# Altium PCB sensor_board.PcbDoc (continued)
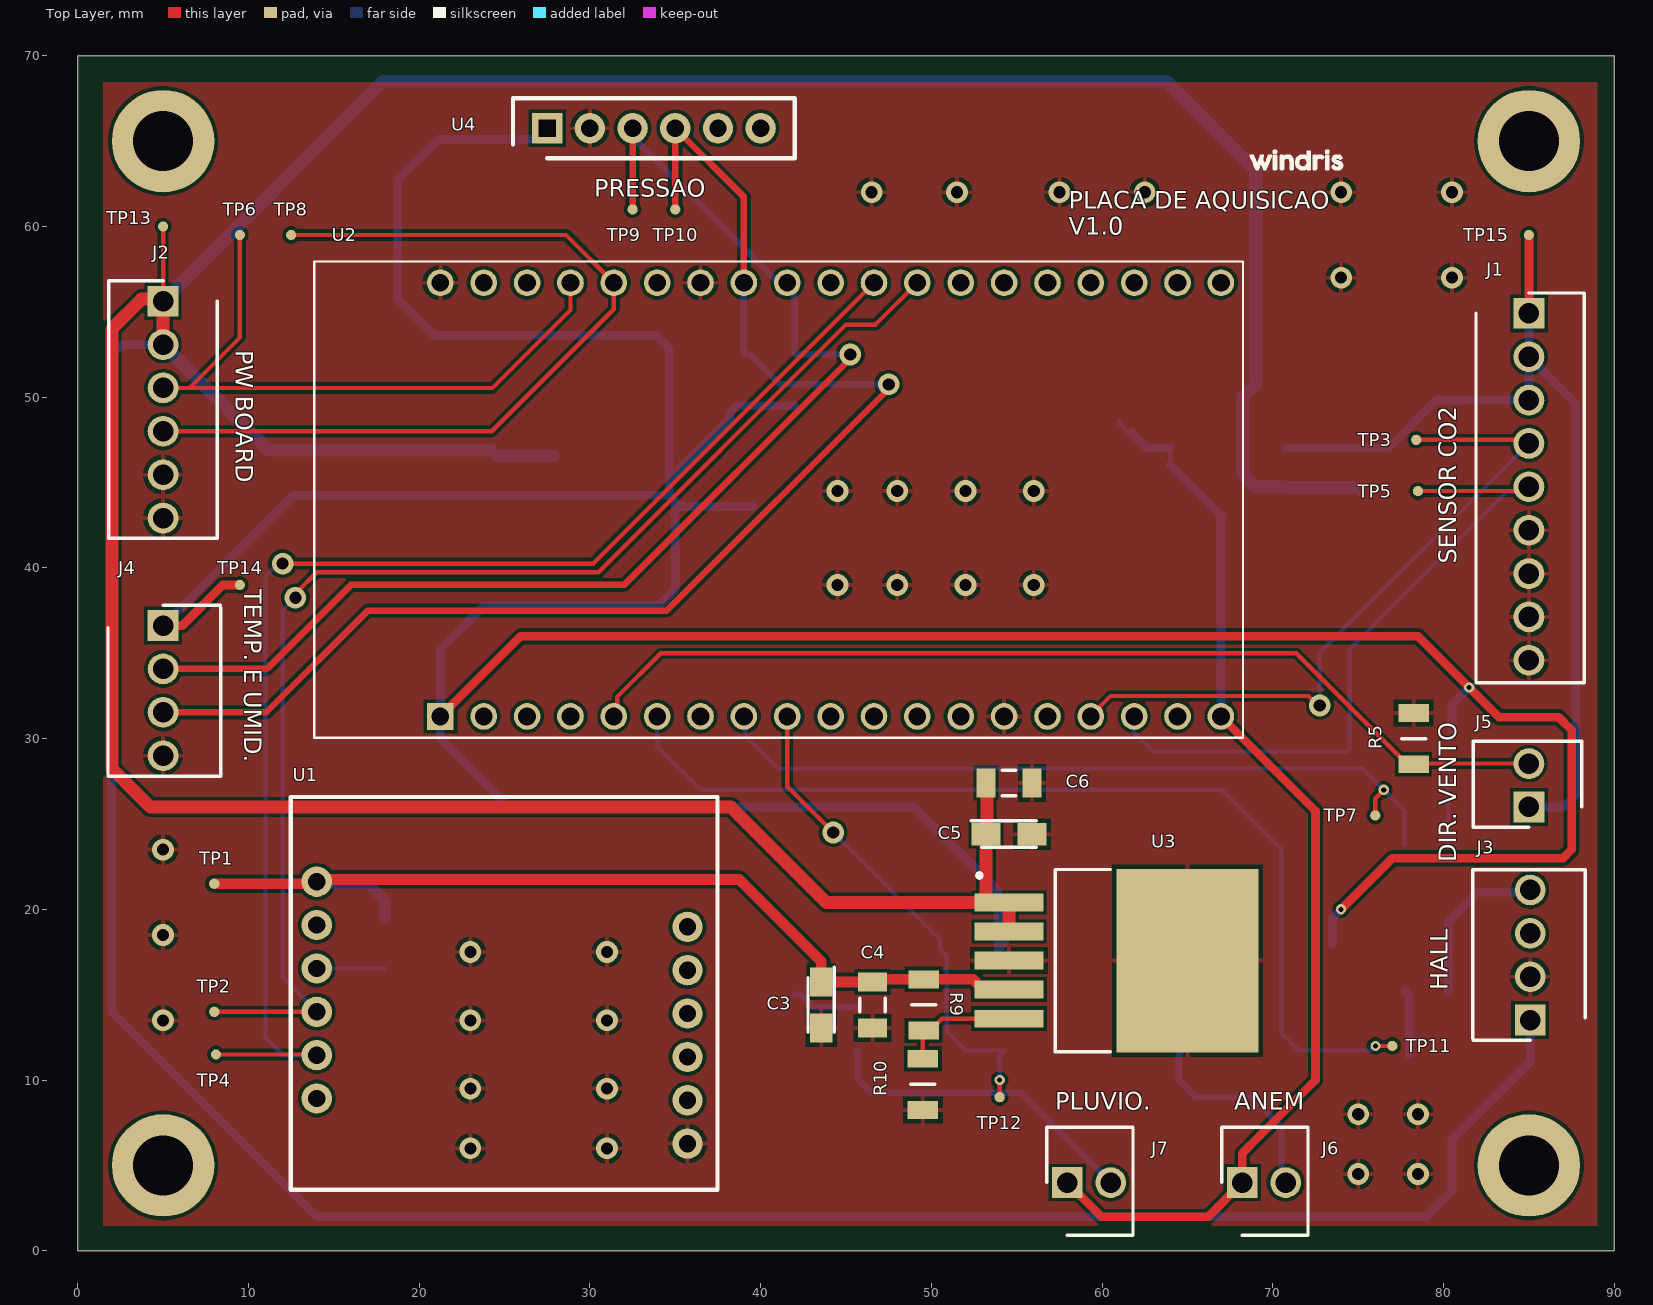
[diagram p0: Top Layer view]
## Part data (continued)
J1: "Headers & Wire Housings KK Hdr Vrt 9 Ckt 2.54mm Pitch Sn", Color=Black, Current Rating=4A, Flammability Rating="UL94 V-2", Manufacturer=Molex, Manufacturer Part Number=1718560009, Max Operating Temperature=105°C, Min Operating Temperature=-40°C, Mouser Part Number=538-171856-0009, Package Quantity=1000, Supplier Part Number 1=WM10186-ND, Voltage rating=250V, Category="Headers and Wire Housings", ComponentLink1Description=https://datasheet.ciiva.com/24242/1718560009-pcb-headers-262932-24242129.pdf?src-supplier=Mouser, ComponentLink1URL=https://datasheet.ciiva.com/24242/1718560009-pcb-headers-262932-24242129.pdf?src-supplier=Mouser, Connector Type="Male Pin", Contact Gender=Male, Contact Material=Brass, Contact Mating Length=0.293inch, Contact Plating=Tin, Contact Post Length=2.34mm, Datasheet Link=https://www.molex.com/pdm_docs/sd/1718560009_sd.pdf, Fastening Type=Friction, Glow Wire Compliant=Compliant, Halogen Free="Low Halogen", Height=8.18mm, Housing Material=Nylon, Manufacturer_Name=Molex, Manufacturer_Part_Number=171856-0009, Mount="Through Hole", Mouser Price/Stock=https://www.mouser.com/Search/Refine.aspx?Keyword=538-171856-0009, Number of Circuits=9, Number of Positions=9, Number of Rows=1, Orientation=Vertical, Packaging=Bulk, Pitch=2.54mm, Pricing 1="1=0.83000, 10=0.68600, 100=0.57150, 1000=0.45717, 5000=0.40002, 10000=0.38002 (USD)", RoHS=Yes, RoHS Compliant=Yes, Stock 1=1734, Supplier 1=Digi-Key, Termination=Solder, Weight=0.036367oz
J2: "Conn Wire to Board HDR 6 POS 2.54mm Solder ST Thru-Hole KK® Bag", Color=Black, Current Rating=4A, Flammability Rating="UL94 V-2", Manufacturer=Molex, Max Operating Temperature=105°C, Min Operating Temperature=-40°C, Mouser Part Number=538-171856-0006, Package Quantity=2000, Voltage rating=250V, Category="Headers and Wire Housings", ComponentLink1Description=https://datasheet.ciiva.com/24135/1718560006-pcb-headers-295618-24135976.pdf?src-supplier=Mouser, ComponentLink1URL=https://datasheet.ciiva.com/24135/1718560006-pcb-headers-295618-24135976.pdf?src-supplier=Mouser, ComponentLink2Description=https://datasheet.ciiva.com/30069/162461718560006-pcb-headers-30069863.pdf?src-supplier=Onlinecomponents.com, ComponentLink2URL=https://datasheet.ciiva.com/30069/162461718560006-pcb-headers-30069863.pdf?src-supplier=Onlinecomponents.com, ComponentLink3Description=https://datasheet.ciiva.com/28500/1769843-28500365.pdf?src-supplier=Element14, ComponentLink3URL=https://datasheet.ciiva.com/28500/1769843-28500365.pdf?src-supplier=Element14, ComponentLink4Description=https://datasheet.ciiva.com/30492/0900766b8129e59b-30492739.pdf?src-supplier=RSComponents, ComponentLink4URL=https://datasheet.ciiva.com/30492/0900766b8129e59b-30492739.pdf?src-supplier=RSComponents, ComponentLink5Description=https://datasheet.ciiva.com/29948/1718560002-sd-29948527.pdf?src-supplier=Avnet, ComponentLink5URL=https://datasheet.ciiva.com/29948/1718560002-sd-29948527.pdf?src-supplier=Avnet, ComponentLink6Description=https://datasheet.ciiva.com/30514/70314281-30514598.pdf?src-supplier=Allied+Electronics, ComponentLink6URL=https://datasheet.ciiva.com/30514/70314281-30514598.pdf?src-supplier=Allied+Electronics, Connector Type="Male Pin", Contact Gender=Male, Contact Material=Brass,Tin, Contact Mating Length=0.293inch, Contact Plating=Tin,Matte, Contact Post Length=2.34mm, Datasheet Link=https://www.molex.com/pdm_docs/sd/1718560006_sd.pdf, Depth=6.35mm, Fastening Type=Friction, Gender=Male, Glow Wire Compliant=Compliant, Halogen Free="Low Halogen", Height=11mm, Housing Color=Black, Housing Material=Nylon, Length=15.09mm, Manufacturer Part Number=171856-0006, Manufacturer_Name=Molex, Manufacturer_Part_Number=171856-0006, Mount="Through Hole", Mouser Price/Stock=https://www.mouser.co.uk/ProductDetail/Molex/171856-0006?qs=s7UCm7gO1bZ%2FF4kPA9T7bA%3D%3D, Number of Circuits=6, Number of Contacts=6, Number of Positions=6, Number of Rows=1, Orientation=Vertical, Packaging=Bulk, Pitch=2.54mm, Pricing 1="1=0.52000, 10=0.44100, 50=0.44100, 100=0.34400, 1000=0.27000, 10000=0.22000 (USD)", Radiation Hardening=No, REACH SVHC=Unknown, RoHS=Yes, RoHS Compliant=Yes, Stock 1=7801, Supplier 1=Mouser, Supplier Part Number 1=538-171856-0006, Termination=Solder, Weight=0.023916oz
J3 J4: "KK RPC 100 HDR FRLK VERT 04 CKT", Color=Black, Current Rating=4A, Flammability Rating="UL94 V-2", Manufacturer=Molex, Manufacturer Part Number=1718560004, Max Operating Temperature=105°C, Min Operating Temperature=-40°C, Package Quantity=4000, Voltage rating=250V, Category="Headers and Wire Housings", ComponentLink1Description=https://datasheet.ciiva.com/24135/1718560004-pcb-headers-295616-24135986.pdf?src-supplier=Mouser, ComponentLink1URL=https://datasheet.ciiva.com/24135/1718560004-pcb-headers-295616-24135986.pdf?src-supplier=Mouser, ComponentLink2Description=https://datasheet.ciiva.com/30102/162471718560004-pcb-headers-30102326.pdf?src-supplier=Onlinecomponents.com, ComponentLink2URL=https://datasheet.ciiva.com/30102/162471718560004-pcb-headers-30102326.pdf?src-supplier=Onlinecomponents.com, ComponentLink3Description=https://datasheet.ciiva.com/30492/0900766b8129e622-30492729.pdf?src-supplier=RSComponents, ComponentLink3URL=https://datasheet.ciiva.com/30492/0900766b8129e622-30492729.pdf?src-supplier=RSComponents, ComponentLink4Description=https://datasheet.ciiva.com/28500/1769844-28500352.pdf?src-supplier=Element14, ComponentLink4URL=https://datasheet.ciiva.com/28500/1769844-28500352.pdf?src-supplier=Element14, ComponentLink5Description=https://datasheet.ciiva.com/29948/1718560002-sd-29948535.pdf?src-supplier=Avnet, ComponentLink5URL=https://datasheet.ciiva.com/29948/1718560002-sd-29948535.pdf?src-supplier=Avnet, ComponentLink6Description=https://datasheet.ciiva.com/29152/1718560002-sd-29152029.pdf?src-supplier=Digi-Key, ComponentLink6URL=https://datasheet.ciiva.com/29152/1718560002-sd-29152029.pdf?src-supplier=Digi-Key, ComponentLink7Description=https://datasheet.ciiva.com/30935/70314280-30935659.pdf?src-supplier=Allied+Electronics, ComponentLink7URL=https://datasheet.ciiva.com/30935/70314280-30935659.pdf?src-supplier=Allied+Electronics, Connector Type="Male Pin", Contact Gender=Male, Contact Material=Brass,Tin, Contact Mating Length=0.293inch, Contact Plating=Tin,Matte, Contact Post Length=2.34mm, Depth=6.35mm, Fastening Type=Friction, Gender=Male, Glow Wire Compliant=Compliant, Halogen Free="Low Halogen", Housing Color=Black, Housing Material=Nylon, Length=10.1mm, Mount="Through Hole", Number of Circuits=4, Number of Contacts=4, Number of Positions=4, Number of Rows=1, Orientation=Vertical, Packaging=Bulk, Pitch=2.54mm, Pricing 1="1=0.40000, 10=0.32400, 50=0.32400, 100=0.23800, 1000=0.20000, 10000=0.15600 (USD)", Pricing 2="1=0.40000, 10=0.32400, 50=0.32400, 100=0.23800, 1000=0.20000, 10000=0.15600 (USD)", Radiation Hardening=No, REACH SVHC=Unknown, RoHS=Yes, RoHS Compliant=Yes, Stock 1=33104, Stock 2=33061, Supplier 1=Mouser, Supplier 2=Mouser, Supplier Part Number 2=538-171856-0004, Termination=Solder, Weight=0.015838oz
J5 J6 J7: "Conn Wire to Board HDR 2 POS 2.54mm Solder ST Thru-Hole KK® Bag", Color=Black, Current Rating=4A, Flammability Rating="UL94 V-2", Manufacturer=Molex, Max Operating Temperature=105°C, Min Operating Temperature=-40°C, Mouser Part Number=538-171856-0002, Package Quantity=6000, Voltage rating=250V, Arrow Part Number=171856-0002, Arrow Price/Stock=https://www.arrow.com/en/products/171856-0002/molex, Category="Headers and Wire Housings", ComponentLink1Description=https://datasheet.ciiva.com/24135/1718560002-pcb-headers-262931-24135970.pdf?src-supplier=Mouser, ComponentLink1URL=https://datasheet.ciiva.com/24135/1718560002-pcb-headers-262931-24135970.pdf?src-supplier=Mouser, ComponentLink2Description=https://datasheet.ciiva.com/30239/162441718560002-pcb-headers-30239327.pdf?src-supplier=Onlinecomponents.com, ComponentLink2URL=https://datasheet.ciiva.com/30239/162441718560002-pcb-headers-30239327.pdf?src-supplier=Onlinecomponents.com, ComponentLink3Description=https://datasheet.ciiva.com/28500/1769839-28500337.pdf?src-supplier=Element14, ComponentLink3URL=https://datasheet.ciiva.com/28500/1769839-28500337.pdf?src-supplier=Element14, ComponentLink4Description=https://datasheet.ciiva.com/30492/0900766b8129e621-30492725.pdf?src-supplier=RSComponents, ComponentLink4URL=https://datasheet.ciiva.com/30492/0900766b8129e621-30492725.pdf?src-supplier=RSComponents, ComponentLink5Description=https://datasheet.ciiva.com/29152/1718560002-sd-29152023.pdf?src-supplier=Digi-Key, ComponentLink5URL=https://datasheet.ciiva.com/29152/1718560002-sd-29152023.pdf?src-supplier=Digi-Key, Connector Type="Male Pin", Contact Gender=Male, Contact Material=Brass,Tin, Contact Mating Length=0.293inch, Contact Plating=Tin,Matte, Contact Post Length=2.34mm, Datasheet Link=https://www.digikey.com/product-detail/en/molex/1718560002/WM10153-ND/4423109, Depth=6.35mm, Fastening Type=Friction, Gender=Male, Glow Wire Compliant=Compliant, Halogen Free="Low Halogen", Height=8.18mm, Housing Color=Black, Housing Material=Nylon, Length=4.93mm, Manufacturer Part Number=171856-0002, Manufacturer_Name=Molex, Manufacturer_Part_Number=171856-0002, Mount="Through Hole", Mouser Price/Stock=https://www.mouser.co.uk/ProductDetail/Molex/171856-0002?qs=s7UCm7gO1bYKeEMrirBzyw%3D%3D, Number of Circuits=2, Number of Contacts=2, Number of Positions=2, Number of Rows=1, Orientation=Vertical, Packaging=Bulk, Pitch=2.54mm, Pricing 1="1=0.27000, 10=0.22200, 50=0.22200, 100=0.16300, 1000=0.13000, 10000=0.10000 (USD)", Radiation Hardening=No, REACH SVHC=Unknown, RoHS=Yes, Stock 1=4493, Supplier 1=Mouser, Supplier Part Number 1=538-171856-0002, Termination=Solder, Weight=0.007549oz
R1 R4 R5 R7 R11: "VISHAY         CRCW120610K0JNEA             RES, THICK FILM, 10K, 5%, 0.25W, 1206, REEL", Case Code (Imperial)=1206, Case Code (Metric)=3216, Manufacturer="Vishay Dale", Manufacturer Part Number=CRCW120610K0JNEA, Max Operating Temperature=155°C, Max Power Dissipation=250mW, Min Operating Temperature=-55°C, Package Quantity=5000, Resistance=10kR, Resistance Tolerance=5%, Resistor Type="Thick Film", Supplier Part Number 1=71-CRCW1206J-10K-E3, Temperature Coefficient=200ppm/°C, Voltage rating=200V, Case/Package=1206, Category="Chip SMD Resistors", ComponentLink1Description=https://datasheet.ciiva.com/5546/dcrcwe3-109170-5546729.pdf?src-supplier=Mouser, ComponentLink1URL=https://datasheet.ciiva.com/5546/dcrcwe3-109170-5546729.pdf?src-supplier=Mouser, ComponentLink2Description=https://datasheet.ciiva.com/9050/dcrcwe3-9050936.pdf?src-supplier=Avnet, ComponentLink2URL=https://datasheet.ciiva.com/9050/dcrcwe3-9050936.pdf?src-supplier=Avnet, ComponentLink3Description=https://datasheet.ciiva.com/9050/dcrcwe3-9050939.pdf?src-supplier=Avnet, ComponentLink3URL=https://datasheet.ciiva.com/9050/dcrcwe3-9050939.pdf?src-supplier=Avnet, ComponentLink4Description=https://datasheet.ciiva.com/17190/dcrcwe3-17190266.pdf?src-supplier=Avnet+Europe, ComponentLink4URL=https://datasheet.ciiva.com/17190/dcrcwe3-17190266.pdf?src-supplier=Avnet+Europe, ComponentLink5Description=https://datasheet.ciiva.com/16389/dcrcwe3-16389593.pdf?src-supplier=Future+Electronics, ComponentLink5URL=https://datasheet.ciiva.com/16389/dcrcwe3-16389593.pdf?src-supplier=Future+Electronics, ComponentLink6Description=https://datasheet.ciiva.com/7800/dcrcwe3-7800542.pdf?src-supplier=Element14, ComponentLink6URL=https://datasheet.ciiva.com/7800/dcrcwe3-7800542.pdf?src-supplier=Element14, ComponentLink7Description=https://datasheet.ciiva.com/16724/70201119-16724109.pdf?src-supplier=Allied+Electronics, ComponentLink7URL=https://datasheet.ciiva.com/16724/70201119-16724109.pdf?src-supplier=Allied+Electronics, Construction=Rectangular, Contact Plating=Tin, Depth=1.6mm, Features="Automotive AEC-Q200", Height=0.55mm, LatestRevisionDate=17-Jul-2002, LatestRevisionNote="Re-released for DXP Platform.", Lead Free="Lead Free", Length=3.2mm, Military Standard=Not, Number of Pins=2, Number of Terminations=2, PackageDescription="Axial Device, Thru-Hole; 2 Leads; 0.4 in Pin Spacing", PackageReference=AXIAL-0.4, Packaging="Tape and Reel", Power Rating=250mW, Pricing 1="1=0.10000, 10=0.06500, 50=0.06500, 100=0.03000, 1000=0.01200, 10000=0.01000 (USD)", Published=8-Jun-2000, Publisher="Altium Limited", Radiation Hardening=No, REACH SVHC=Unknown, RoHS=Yes, Series=CRCW, Size Code=1206, Stock 1=96532, Supplier 1=Mouser, Termination=SMD/SMT, Tolerance=5%, Voltage Rating (DC)=200V, Weight=0.000353oz, Width=1.6mm
R2 R3: "VISHAY   CRCW12062K20JNEA   RES, THICK FILM, 2K2, 5%, 0.25W, 1206, REEL", Case Code (Imperial)=1206, Case Code (Metric)=3216, Manufacturer="Vishay Dale", Manufacturer Part Number=CRCW12062K20JNEA, Max Operating Temperature=155°C, Max Power Dissipation=250mW, Min Operating Temperature=-55°C, Package Quantity=5000, Resistance=2.2kR, Resistance Tolerance=5%, Resistor Type="Thick Film", Supplier Part Number 1=71-CRCW1206J-2.2K-E3, Temperature Coefficient=200ppm/°C, Voltage rating=200V, Case/Package=1206, Category="Chip SMD Resistors", ComponentLink1Description=https://datasheet.ciiva.com/9091/dcrcwe3-9091080.pdf?src-supplier=Avnet, ComponentLink1URL=https://datasheet.ciiva.com/9091/dcrcwe3-9091080.pdf?src-supplier=Avnet, ComponentLink2Description=https://datasheet.ciiva.com/5543/dcrcwe3-109170-5543996.pdf?src-supplier=Mouser, ComponentLink2URL=https://datasheet.ciiva.com/5543/dcrcwe3-109170-5543996.pdf?src-supplier=Mouser, ComponentLink3Description=https://datasheet.ciiva.com/17201/dcrcwe3-17201852.pdf?src-supplier=Avnet+Europe, ComponentLink3URL=https://datasheet.ciiva.com/17201/dcrcwe3-17201852.pdf?src-supplier=Avnet+Europe, ComponentLink4Description=https://datasheet.ciiva.com/46448/1807946-46448335.pdf?src-supplier=Element14, ComponentLink4URL=https://datasheet.ciiva.com/46448/1807946-46448335.pdf?src-supplier=Element14, ComponentLink5Description=https://datasheet.ciiva.com/16755/70201119-16755609.pdf?src-supplier=Allied+Electronics, ComponentLink5URL=https://datasheet.ciiva.com/16755/70201119-16755609.pdf?src-supplier=Allied+Electronics, Construction=Rectangular, Contact Plating=Tin, Depth=1.6mm, Features="Automotive AEC-Q200", Height=0.55mm, LatestRevisionDate=17-Jul-2002, LatestRevisionNote="Re-released for DXP Platform.", Lead Free="Lead Free", Length=3.2mm, Military Standard=Not, Mount="Surface Mount", Number of Terminations=2, PackageDescription="Axial Device, Thru-Hole; 2 Leads; 0.4 in Pin Spacing", PackageReference=AXIAL-0.4, Packaging="Tape and Reel", Power Rating=250mW, Pricing 1="1=0.10000, 10=0.05900, 50=0.05900, 100=0.02700, 1000=0.01100, 10000=0.01000 (USD)", Published=8-Jun-2000, Publisher="Altium Limited", Radiation Hardening=No, REACH SVHC=Unknown, RoHS=Yes, RoHS Compliant=Yes, Series=CRCW, Size Code=1206, Stock 1=46, Supplier 1=Mouser, Technology="THICK FILM", Termination=Solder, Tolerance=5%, Voltage Rating (DC)=200V, Weight=0.000353oz, Width=1.6mm
R6 R8 R12: "Thick Film Resistors 1/4watt 470ohms 5%", Case Code (Imperial)=1206, Case Code (Metric)=3216, Manufacturer=Vishay, Manufacturer Part Number=CRCW1206470RJNEAIF, Max Operating Temperature=155°C, Max Power Dissipation=250mW, Min Operating Temperature=-55°C, Package Quantity=5000, Resistance=470R, Resistance Tolerance=5%, Resistor Type="Thick Film", Supplier Part Number 1=71-CRCW1206470RJNAIF, Temperature Coefficient=200ppm/°C, Voltage rating=200V, Case/Package=1206, Category="Chip SMD Resistors", ComponentLink1Description=https://datasheet.ciiva.com/7777/424674-7777482.pdf?src-supplier=Element14, ComponentLink1URL=https://datasheet.ciiva.com/7777/424674-7777482.pdf?src-supplier=Element14, ComponentLink2Description=https://datasheet.ciiva.com/7777/424674-7777483.pdf?src-supplier=Element14, ComponentLink2URL=https://datasheet.ciiva.com/7777/424674-7777483.pdf?src-supplier=Element14, Construction=Rectangular, Depth=1.6mm, Features="Automotive AEC-Q200", Height=0.55mm, LatestRevisionDate=17-Jul-2002, LatestRevisionNote="Re-released for DXP Platform.", Lead Free="Lead Free", Length=3.2mm, Military Standard=Not, Number of Terminations=2, PackageDescription="Axial Device, Thru-Hole; 2 Leads; 0.4 in Pin Spacing", PackageReference=AXIAL-0.4, Packaging="Tape and Reel", Power Rating=250mW, Pricing 1="1=0.56000, 10=0.40300, 50=0.40300, 100=0.21000, 1000=0.11300, 10000=0.09500 (USD)", Published=8-Jun-2000, Publisher="Altium Limited", REACH SVHC=Unknown, RoHS=Yes, RoHS Compliant=Yes, Series=CRCW-IF, Stock 1=6264, Supplier 1=Mouser, Technology="THICK FILM", Termination=SMD/SMT, Tolerance=5%, Voltage Rating (DC)=200V, Weight=0.000353oz, Width=1.6mm
R9: "RES SMD 100K OHM 5% 1/4W 1206", Case Code (Imperial)=1206, Case Code (Metric)=3216, Manufacturer="Vishay Dale", Manufacturer Part Number=CRCW1206100KJNEA, Max Operating Temperature=155°C, Max Power Dissipation=250mW, Min Operating Temperature=-55°C, Package Quantity=1, Resistance=100kR, Resistance Tolerance=5%, Resistor Type="Thick Film", Supplier Part Number 1=71-CRCW1206J-100K-E3, Temperature Coefficient=200ppm/°C, Voltage rating=200V, Case/Package=1206, Category="Chip SMD Resistors", ComponentLink1Description=https://datasheet.ciiva.com/7107/1747939-7107664.pdf?src-supplier=Newark, ComponentLink1URL=https://datasheet.ciiva.com/7107/1747939-7107664.pdf?src-supplier=Newark, ComponentLink2Description=https://datasheet.ciiva.com/2468/dcrcwe3-2468223.pdf?src-supplier=Digi-Key, ComponentLink2URL=https://datasheet.ciiva.com/2468/dcrcwe3-2468223.pdf?src-supplier=Digi-Key, ComponentLink3Description=https://datasheet.ciiva.com/2468/dcrcwe3-2468224.pdf?src-supplier=Digi-Key, ComponentLink3URL=https://datasheet.ciiva.com/2468/dcrcwe3-2468224.pdf?src-supplier=Digi-Key, ComponentLink4Description=https://datasheet.ciiva.com/2468/dcrcwe3-2468225.pdf?src-supplier=Digi-Key, ComponentLink4URL=https://datasheet.ciiva.com/2468/dcrcwe3-2468225.pdf?src-supplier=Digi-Key, ComponentLink5Description=https://datasheet.ciiva.com/5548/dcrcwe3-109170-5548556.pdf?src-supplier=Mouser, ComponentLink5URL=https://datasheet.ciiva.com/5548/dcrcwe3-109170-5548556.pdf?src-supplier=Mouser, ComponentLink6Description=https://datasheet.ciiva.com/28621/1747939-28621479.pdf?src-supplier=Element14, ComponentLink6URL=https://datasheet.ciiva.com/28621/1747939-28621479.pdf?src-supplier=Element14, ComponentLink7Description=https://datasheet.ciiva.com/8979/dcrcwe3-8979863.pdf?src-supplier=Avnet, ComponentLink7URL=https://datasheet.ciiva.com/8979/dcrcwe3-8979863.pdf?src-supplier=Avnet, ComponentLink8Description=https://datasheet.ciiva.com/8979/dcrcwe3-8979869.pdf?src-supplier=Avnet, ComponentLink8URL=https://datasheet.ciiva.com/8979/dcrcwe3-8979869.pdf?src-supplier=Avnet, ComponentLink9Description=https://datasheet.ciiva.com/15159/getdatasheetpartid-45729-15159543.pdf?src-supplier=Verical, ComponentLink9URL=https://datasheet.ciiva.com/15159/getdatasheetpartid-45729-15159543.pdf?src-supplier=Verical, ComponentLink10Description=https://datasheet.ciiva.com/16755/70201119-16755608.pdf?src-supplier=Allied+Electronics, ComponentLink10URL=https://datasheet.ciiva.com/16755/70201119-16755608.pdf?src-supplier=Allied+Electronics, ComponentLink11Description=https://datasheet.ciiva.com/16765/70201119-16765961.pdf?src-supplier=Allied+Electronics, ComponentLink11URL=https://datasheet.ciiva.com/16765/70201119-16765961.pdf?src-supplier=Allied+Electronics, Construction=Rectangular, Contact Plating=Tin, Depth=1.6mm, Features="Automotive AEC-Q200", Height=0.024inch, LatestRevisionDate=17-Jul-2002, LatestRevisionNote="Re-released for DXP Platform.", Lead Free="Lead Free", Length=3.2mm, Military Standard=Not, Mount="Surface Mount", Number of Pins=2, Number of Terminations=2, PackageDescription="Axial Device, Thru-Hole; 2 Leads; 0.4 in Pin Spacing", PackageReference=AXIAL-0.4, Packaging="Tape and Reel", Power Rating=250mW, Pricing 1="1=0.10000, 10=0.06600, 50=0.06600, 100=0.02700, 1000=0.01100, 10000=0.01100 (USD)", Published=8-Jun-2000, Publisher="Altium Limited", Radiation Hardening=No, REACH SVHC=Unknown, RoHS=Yes, RoHS Compliant=Yes, Series=CRCW, Size Code=1206, Stock 1=17942, Supplier 1=Mouser, Termination=SMD/SMT, Tolerance=5%, Voltage Rating (DC)=200V, Weight=0.000353oz, Width=0.063inch
R10: "RES SMD 43K OHM 5% 1/4W 1206", Case Code (Imperial)=1206, Case Code (Metric)=3216, Manufacturer="Vishay Dale", Manufacturer Part Number=CRCW120643K0JNEA, Max Operating Temperature=155°C, Max Power Dissipation=250mW, Min Operating Temperature=-55°C, Package Quantity=1, Resistance=43kR, Resistor Type="Thick Film", Supplier Part Number 1=71-CRCW1206J-43K-E3, Temperature Coefficient=200ppm/°C, Tolerance=5%, Voltage rating=200V, Case/Package=1206, Category="Chip SMD Resistors", ComponentLink1Description=https://datasheet.ciiva.com/5542/dcrcwe3-109170-5542254.pdf?src-supplier=Mouser, ComponentLink1URL=https://datasheet.ciiva.com/5542/dcrcwe3-109170-5542254.pdf?src-supplier=Mouser, ComponentLink2Description=https://datasheet.ciiva.com/9008/dcrcwe3-9008908.pdf?src-supplier=Avnet, ComponentLink2URL=https://datasheet.ciiva.com/9008/dcrcwe3-9008908.pdf?src-supplier=Avnet, ComponentLink3Description=https://datasheet.ciiva.com/2496/dcrcwe3-2496505.pdf?src-supplier=Digi-Key, ComponentLink3URL=https://datasheet.ciiva.com/2496/dcrcwe3-2496505.pdf?src-supplier=Digi-Key, ComponentLink4Description=https://datasheet.ciiva.com/2496/dcrcwe3-2496506.pdf?src-supplier=Digi-Key, ComponentLink4URL=https://datasheet.ciiva.com/2496/dcrcwe3-2496506.pdf?src-supplier=Digi-Key, ComponentLink5Description=https://datasheet.ciiva.com/2496/dcrcwe3-2496507.pdf?src-supplier=Digi-Key, ComponentLink5URL=https://datasheet.ciiva.com/2496/dcrcwe3-2496507.pdf?src-supplier=Digi-Key, Construction=Rectangular, Contact Plating=Tin, Depth=1.6mm, Features="Automotive AEC-Q200", Height=0.024inch, LatestRevisionDate=17-Jul-2002, LatestRevisionNote="Re-released for DXP Platform.", Lead Free="Lead Free", Length=3.2mm, Military Standard=Not, Number of Terminations=2, PackageDescription="Axial Device, Thru-Hole; 2 Leads; 0.4 in Pin Spacing", PackageReference=AXIAL-0.4, Packaging="Tape and Reel", Power Rating=250mW, Pricing 1="1=0.10000, 10=0.07200, 50=0.07200, 100=0.03200, 1000=0.01600, 10000=0.00800 (USD)", Published=8-Jun-2000, Publisher="Altium Limited", RoHS=Yes, RoHS Compliant=Yes, Series=CRCW, Stock 1=26455, Supplier 1=Mouser, Termination=SMD/SMT, Voltage Rating (DC)=200V, Weight=0.000353oz, Width=0.063inch
TP1 TP2 TP3 TP4 TP5 TP6 TP7 TP8 TP9 TP10 TP11 TP12 TP13 TP14 TP15: library part CMP-00028-00002-2, "0.6mm round", Pins=1
U2: "Espressif Systems ESP32-DevKitC Microcontroller", Frequency=2.5GHz, Manufacturer="Espressif Systems", Operating Supply Voltage=5V, Package=None, Package Quantity=1, Supplier Part Number 1=356-ESP32-DEVKITC32D, Availability=Warning, Check_prices=https://www.snapeda.com/parts/ESP32-DEVKITC-32D/Espressif%20Systems/view-part/2777395/?ref=eda, ComponentLink1Description=https://datasheet.ciiva.com/70828/esp32-devkit-70828764.pdf?src-supplier=TME, ComponentLink1URL=https://datasheet.ciiva.com/70828/esp32-devkit-70828764.pdf?src-supplier=TME, Interface=USB, Manufacturer Part Number=ESP32-DEVKITC-32D, MF="Espressif Systems", MP=ESP32-DEVKITC-32D, Price=None, Pricing 1="1=10.00000, 10=10.00000, 50=10.00000, 100=10.00000, 1000=10.00000, 10000=10.00000 (USD)", Purchase-URL=https://pricing.snapeda.com/search/part/ESP32-DEVKITC-32D/?ref=eda, RoHS=No, SnapEDA_Link=https://www.snapeda.com/parts/ESP32-DEVKITC-32D/Espressif%20Systems/view-part/2777395/?ref=snap, Stock 1=1545, Supplier 1=Mouser
U3: library part CMP-06324-000007-1, "IC REG LINEAR POS ADJ 3A TO263-5", Dropout Voltage=370mV, Manufacturer=Microchip, Max Junction Temp=+125°C, Max Supply Voltage=26V, Min Supply Voltage=2.25V, Nominal Supply Current=10-37mA, Output Current=3A, Output Voltage=3.3-12V, Package=C04-012, Temperature="-40°C to +125°C", Temperature Range Low=-40°C, Accuracy Percentage=1%, Automotive=No, Category=IC, ComponentLink2Description=Datasheet, ComponentLink2URL=http://ww1.microchip.com/downloads/en/DeviceDoc/MIC2915x-30x-50x-75x-High-Current-Low-Dropout-Regulators-DS20005685B.pdf, Device Class L1="Integrated Circuits (ICs)", Device Class L2="Power Management ICs", Device Class L3="Voltage Regulators - Linear", Digikey Description="IC REG LINEAR POS ADJ 3A TO263-5", Height=0.2inch, Lead Free=Yes, Manufacturer Part Number=MIC29302WU-TR, Mouser Description="LDO Voltage Regulators", Number of Outputs=1, Octopart=https://octopart.com/mic29302wu-tr-microchip-66801318, Output Type=AdjustableProgrammable, RoHS=TRUE, Standoff Height=0mm, Temperature Range High=+125°C
U4: "Digital Pressure Sensor"

## Free pads (board coordinates)
  round 6 hole 3.5: 14(5,5) 14(5,65) 14(85,5) 14(85,65)

## Via types
v1: diameter 1.27, hole 0.711, Top Layer to Bottom Layer, 37 vias
v2: diameter 0.6, hole 0.3, Top Layer to Bottom Layer, 5 vias

## Nets (pads, with @x,y where several pads share a name; then routed paths per layer and width w, separated by ;. In a path a pad name is that pad's centre, name@x,y a point inside that pad or via, vN(x,y) a via of type N, cw(c..) or ccw(c..) an arc to the next point about the centre after c; other vN are vias at no path point)
+3V3: C8.1 IC4.2 IC4.4 J4.1 R2.2 R3.2 R4.2 R7.2 R11.2 TP14.1 U2.1 U4.1 | length 259.2
  Top Layer w0.508: J4.1 6.12,36.62 8.5,39 TP14.1 ; U2.1 25.94,36 78.5,36 v2(81.5,33) 83.25,31.25 86.75,31.25 87.5,30.5 87.5,23.5 87,23 77,23 v2(74,20)
  Bottom Layer w0.508: J4.1 12.63,44.25 IC4.2 IC4.4 ; U4.1 26.865,65.115 21.115,65.115 18.75,62.75 18.75,55.75 20.873,53.627 33.873,53.627 34.65,52.85 IC4.4@34.65,45.225 ; C8.1 35.148,43.6 IC4.4@35,43.748 ; R2.2 R3.2 38.625,49.5 38.227,49.102 38.227,48.802 IC4.4@34.65,45.225 ; R7.2 R7.2@53.911,17.681 ; R7.2@54.309,18.079 R7.2@53.911,17.681 ; R4.2 73.5,19.5 v2(74,20) ; R11.2 80.5,32 v2(81.5,33) ; IC4.4 IC4.4@34.65,45.225 ; IC4.4 35,43.9 IC4.4@35,43.748 ; IC4.4@35,43.748 35,38.75 34.04,37.79 23.79,37.79 21.25,35.25 21.25,31.31 U2.1 21.24,30.01 25.25,26 49,26 53.911,21.089 R7.2@53.911,17.681
+4V: C3.1 C4.2 R1.2 R9.2 TP1.1 U1.1 U3.4 | length 55.6
  Top Layer w0.635: TP1.1 13.88,21.5 U1.1 14.13,21.75 38.75,21.75 43.548,16.952 C3.1 C4.2 46.698,15.904 R9.2 52.444,15.904 53.049,15.298 U3.4
  Bottom Layer w0.254: U1.1 U1.1@14.12,21.5
  Bottom Layer w0.635: U1.1@14.12,21.5 17,21.5 18,20.5 R1.2
+5V: C10.1 IC5.2 IC5.4 J1.1 J1.2 J1.3 J5.1 J6.1 J7.1 TP15.1 U2.19 | length 118.9
  Top Layer w0.508: J7.1 59.96,2 66.21,2 J6.1 68.21,5.71 69.25,6.75 72.5,10 72.5,25.76 U2.19 ; J1.1 TP15.1
  Bottom Layer w0.254: C10.1 61,48.45 61.523,47.927 61.723,47.927 ; IC5.4@64,46.025 IC5.4
  Bottom Layer w0.508: 61.723,47.927 62.65,47 IC5.4 ; IC5.4@64,46.025 66.96,43.065 U2.19 ; IC5.2 76.75,47 79.58,49.83 J1.3 J1.2 ; J5.1 87,26 87.75,26.75 87.75,49.62 J1.2 ; J1.1 J1.2
+12V: C5.1 C6.2 C7.1 C9.1 IC4.3 IC5.3 J2.1 J2.2 J3.1 TP13.1 U3.1 U3.2 | length 363.8
  Top Layer w0.254: J2.1@4.87,55.75 J2.1 TP13.1 ; U3.1@53.198,20.797 53.592,20.404 U3.1 ; C5.1 C5.1@53.25,24.456 ; C6.2 53.198,27.052 C6.2@53.25,27
  Top Layer w0.762: J2.1@4.87,55.75 3.75,55.75 2,54 2,28.25 4.25,26 38.25,26 43.846,20.404 U3.1@53.592,20.404 ; J2.2 J2.1 ; U3.1@53.198,20.797 C5.1 ; C5.1@53.25,24.456 C6.2@53.25,27 ; U3.2 U3.1
  Bottom Layer w0.254: C7.1 C7.1@24.6,46.55 ; IC5.3@70.75,44.75 IC5.3 ; C9.1@74.65,44.7 C9.1
  Bottom Layer w0.508: J2.2 2.58,53.08 2,52.5 2,14 14,2 79,2 80.5,3.5 80.5,6.5 85.075,11.075 J3.1
  Bottom Layer w0.762: C7.1 11.18,46.9 J2.2 J2.1 17.88,68.5 63.75,68.5 69,63.25 69,50.75 68.25,50 68.25,45.5 69,44.75 IC5.3@70.75,44.75 ; C7.1@24.6,46.55 IC4.3 ; IC5.3 C9.1@74.65,44.7
ANEM: IC1.4 R4.1 TP11.1 U2.6 | length 58.6
  Top Layer w0.254: v2(76.015,12) TP11.1
  Bottom Layer w0.254: U2.6 33.94,29.56 36.5,27 67,27 70.5,23.5 R4.1 70.5,12.75 71.52,11.73 IC1.4 75.745,11.73 v2(76.015,12)
AO: IC3.3 TP7.1 U2.8 | length 45.3
  Top Layer w0.254: TP7.1 76,26.5 v2(76.5,27)
  Bottom Layer w0.254: U2.8 39.111,31.209 39.111,30.139 41,28.25 75.25,28.25 v2(76.5,27) 77.73,25.77 IC3.3
DIR: J5.2 R5.2 U2.5 | length 58.4
  Top Layer w0.254: U2.5 31.61,31.51 31.61,32.461 34.149,35 71.375,35 77.875,28.5 R5.2 78.29,28.54 J5.2
GND: C3.2 C4.1 C5.2 C6.1 C7.2 C8.2 C9.2 C10.2 IC1.3 IC2.3 IC4.1 IC5.1 J1.6 J1.7 J1.8 J1.9 J2.5 J2.6 J3.2 J4.4 R5.1 R6.1 R8.1 R10.1 R12.1 U1.7 U2.14 U2.20 U2.26 U3.3 U3.6 U4.2
  other v1: 75,4.5 78.5,4.5 23,6 31,6 75,8 78.5,8 23,9.5 31,9.5 5,13.5 23,13.5 31,13.5 23,17.5 31,17.5 5,18.5 5,23.5 44.5,39 48,39 52,39 56,39 44.5,44.5 48,44.5 52,44.5 56,44.5 74,57 80.5,57 46.5,62 51.5,62 57.5,62 62.5,62 74,62 80.5,62
NetIC1_1: IC1.1 J6.2 | length 12.3
  Bottom Layer w0.381: IC1.1 64.5,11.53 64.5,10 65.5,9 68.75,9 70.5,7.25 70.5,4.25 J6.2
NetIC1_2: IC1.2 R6.2 | length 4.1
  Bottom Layer w0.381: R6.2 62.007,16.493 62.007,15.743 63.418,14.332 64.638,14.332 IC1.2
NetIC2_1: IC2.1 J7.2 | length 19
  Bottom Layer w0.381: IC2.1 45.7,10.05 46.5,9.25 55.25,9.25 J7.2
NetIC2_2: IC2.2 R8.2 | length 4
  Bottom Layer w0.381: R8.2 42.375,15 43.105,14.27 IC2.2
NetIC3_1: IC3.1 J3.4 | length 9.6
  Bottom Layer w0.508: IC3.1 80.27,19.27 82,21 84.94,21 J3.4
NetIC3_2: IC3.2 R12.2 | length 3.8
  Bottom Layer w0.508: IC3.2 78,14.93 R12.2
NetIC3_4: IC3.4 R11.1 | length 3.8
  Bottom Layer w0.254: IC3.4 80.27,27.27 R11.1
NetR1_1: R1.1 U1.3 | length 4
  Bottom Layer w0.254: U1.3 17.96,16.54 R1.1
NetR9_1: R9.1 R10.2 U3.5 | length 7
  Top Layer w0.254: R10.2 49.5,12.856 R9.1 49.923,12.904 50.616,13.596 U3.5
PLUVIO: IC2.4 R7.1 TP12.1 U2.9 | length 29
  Top Layer w0.254: U2.9 41.56,27.19 v1(44.25,24.5) ; TP12.1 v2(54,10)
  Bottom Layer w0.254: v1(44.25,24.5) 50.513,18.237 50.513,17.704 R7.1 50.911,12.839 52.02,11.73 IC2.4 54,11.43 v2(54,10)
RX0: J2.3 TP6.1 U2.23 | length 37.5
  Top Layer w0.254: J2.3 6.54,50.54 ; TP6.1 9.5,53.5 6.54,50.54 ; U2.23 28.86,55.11 24.29,50.54 6.54,50.54
RX1: J1.4 TP3.1 U2.16 | length 41.8
  Top Layer w0.254: U2.16 59.34,31.34 60.5,32.5 72.093,32.5 72.651,31.942 v1(72.75,31.942) ; TP3.1 84.79,47.5 J1.4
  Bottom Layer w0.254: U2.16@59.34,31.59 U2.16 U2.16@59.5,31.46 ; v1(72.75,31.942) 72.75,35.04 J1.4
RX2: TP2.1 U1.4 U2.31 | length 75.6
  Top Layer w0.254: TP2.1 U1.4 ; v1(12.75,38.25) 12.75,38.5 14,39.75 30.5,39.75 45,54.25 46.73,54.25 U2.31
  Bottom Layer w0.254: v1(12.75,38.25) 12,37.5 12,16 U1.4
SCL: J4.2 R2.1 TP9.1 U2.28 U4.3 | length 73.5
  Top Layer w0.381: J4.2 11.08,34.08 16,39 32,39 45.25,52.25 v1(45.25,52.5) ; TP9.1 U4.3
  Bottom Layer w0.381: U4.3 32.5,65.338 32.894,64.944 32.894,64.856 40.8,56.95 41.31,56.95 U2.28 41.56,56.347 42,55.907 R2.1 v1(45.25,52.5)
SDA: J4.3 R3.1 TP10.1 U2.27 U4.4 | length 79.5
  Top Layer w0.381: J4.3 11.04,31.54 17,37.5 34.5,37.5 47.5,50.5 v1(47.5,50.75) ; TP10.1 U4.4 39.02,61.73 U2.27
  Bottom Layer w0.381: U2.27 39.02,52.52 R3.1 39.375,52.5 41.125,50.75 v1(47.5,50.75)
TX0: J2.4 TP8.1 U2.24 | length 51
  Top Layer w0.254: J2.4 24.25,48 31.4,55.15 U2.24 28.6,59.5 TP8.1
TX1: J1.5 TP5.1 U2.17 | length 41.4
  Top Layer w0.254: TP5.1 84.75,44.5 J1.5 J1.5@85.418,44.75
  Bottom Layer w0.254: U2.17 61.855,31.275 61.855,30.395 63,29.25 74.351,29.25 74.5,29.399 74.5,35.25 83.719,44.469 84.719,44.469 J1.5
TX2: TP4.1 U1.5 U2.30 | length 79.1
  Top Layer w0.254: TP4.1 13.96,11.5 U1.5 ; v1(12,40.25) 30.19,40.25 U2.30
  Bottom Layer w0.254: v1(12,40.25) 11.725,40.25 11,39.525 11,12.5 12.04,11.46 U1.5
pads on no net: J3.3 U1.2 U1.6 U1.8 U1.9 U1.10 U1.11 U1.12 U2.2 U2.3 U2.4 U2.7 U2.10 U2.11 U2.12 U2.13 U2.15 U2.18 U2.21 U2.22 U2.25 U2.29 U2.32 U2.33 U2.34 U2.35 U2.36 U2.37 U2.38 U4.5 U4.6

## Polygon pours and split planes (outlines as drawn)
GND on Bottom Layer "GND_L02_P001" (solid, pour order 1): 1.5,68.5 1.5,1.5 89,1.5 89,68.5
GND on Top Layer "GND_L01_P000" (solid, pour order 0): 1.5,68.46 1.5,1.46 89,1.46 89,68.46

## Silkscreen, mask and mechanical layers (free items; w line width, h text height)
Top Overlay:
  drawing of 396 lines, arcs and shapes, not listed
  text "PRESSAO" at 30.254,61.754 h1.02
  text "PLACA DE AQUISICAO / V1.0" at 58.042,59.5 h1.02
  text "PW BOARD" at 9.254,52.746 h1.02 r270
  text "SENSOR CO2" at 80.746,40.254 h1.02 r90
  text "TEMP. E UMID." at 9.754,38.746 h1.02 r270
  text "DIR. VENTO" at 80.746,22.754 h1.02 r90
  text "HALL" at 80.246,15.254 h1.02 r90
  text "PLUVIO." at 57.254,8.254 h1.02
  text "ANEM" at 67.754,8.254 h1.02